# Altium PCB Slave.PcbDoc (part 4 of 11)
Units mm, origin at the board's own origin, x right, y up, seen from the top; angles counter-clockwise.
Board outline 380 x 63 mm, 4 copper layers (Top Copper, Signal Layer 1, Signal Layer 2, Bottom Copper), stack 1.586 mm thick; 256 components, 191 nets, 731 pads, 24161 vias.
Unrouted connection lines stored in the file: 14.
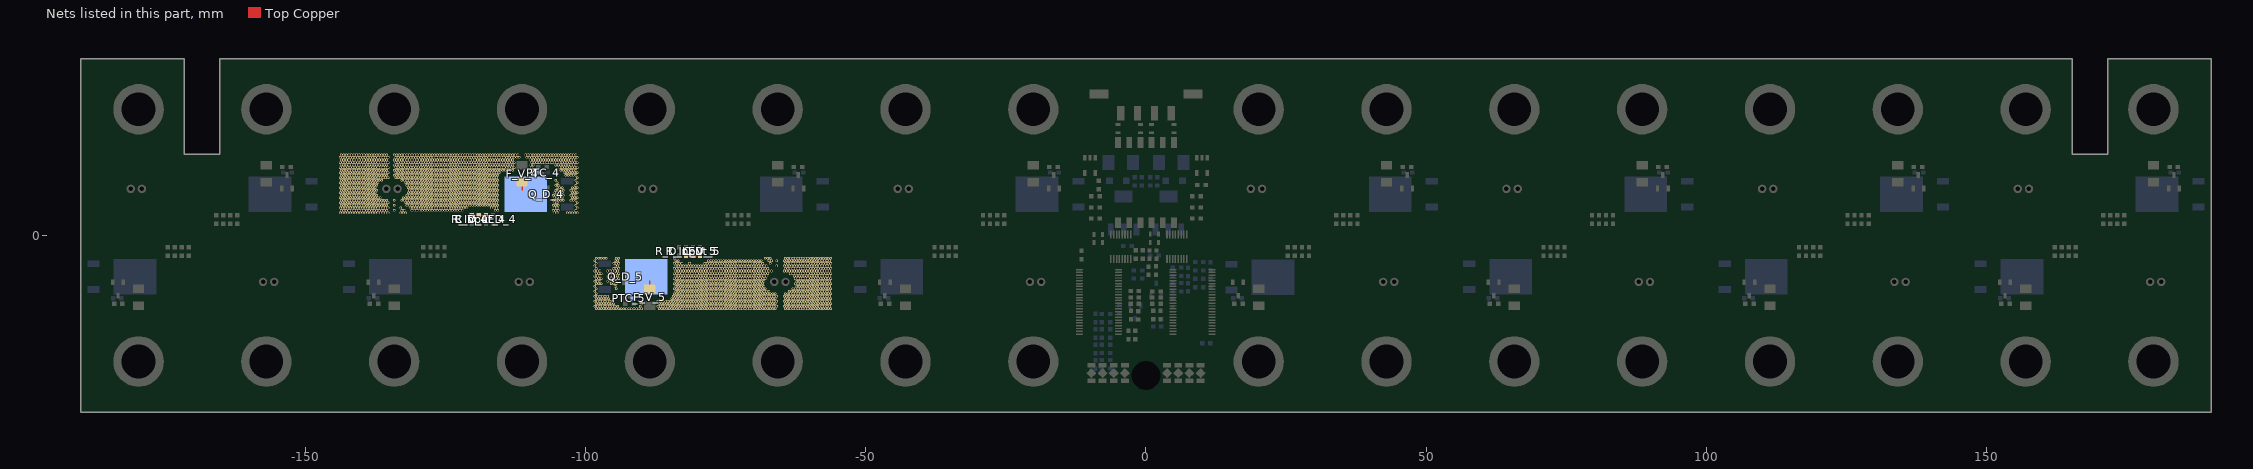
[diagram p6: the nets of this part, all layers, seen from the top]

## Via types
v1: diameter 0.45, hole 0.297, Top Copper to Bottom Copper, tented both sides, 23326 vias
v2: diameter 1, hole 0.7, Top Copper to Bottom Copper, 576 vias
v3: diameter 0.45, hole 0.2, Top Copper to Bottom Copper, 259 vias

## Nets (pads, with @x,y where several pads share a name; then routed paths per layer and width w, separated by ;. In a path a pad name is that pad's centre, name@x,y a point inside that pad or via, vN(x,y) a via of type N, cw(c..) or ccw(c..) an arc to the next point about the centre after c; other vN are vias at no path point) (continued)
F_4: C_V_4.2 F_V_4.2 PTC_4.2 Q_D_4.2 R_D_LED_4.2 R_Input_4.1 | length 3.9
  Top Copper w0.254: C_V_4.2@-120.25,3.6 R_Input_4.1@-119,3.6 R_D_LED_4.2@-117.75,3.6
  Top Copper w0.305: -111.275,8.1 F_V_4.2@-111.275,9.48
  other v1: -143.75,4 -143.3,4 -142.85,4 -142.4,4 -141.95,4 -141.5,4 -141.05,4 -140.6,4 -140.15,4 -139.7,4 -139.25,4 -138.8,4 -138.35,4 -137.9,4 -137.45,4 -137,4 -136.55,4 -136.1,4 -135.65,4 -135.2,4 -132.95,4 -132.5,4 -132.05,4 -105.5,4 -105.05,4 -103.25,4 -102.8,4 -102.35,4 -101.9,4 -101.45,4 -143.525,4.45 -143.075,4.45 -142.625,4.45 -142.175,4.45 -141.725,4.45 -141.275,4.45 -140.825,4.45 -140.375,4.45 -139.925,4.45 -139.475,4.45 -139.025,4.45 -138.575,4.45 -138.125,4.45 -137.675,4.45 -137.225,4.45 -136.775,4.45 -136.325,4.45 -135.875,4.45 -135.425,4.45 -134.075,4.45 -132.725,4.45 -132.275,4.45 -130.925,4.45 -130.475,4.45 -130.025,4.45 -129.575,4.45 -129.125,4.45 -128.675,4.45 -128.225,4.45 -127.775,4.45 -127.325,4.45 -126.875,4.45 -126.425,4.45 -125.975,4.45 -125.525,4.45 -125.075,4.45 -124.625,4.45 -124.175,4.45 -123.725,4.45 -123.275,4.45 -122.825,4.45 -122.375,4.45 -121.925,4.45 -116.075,4.45 -115.625,4.45 -105.725,4.45 -105.275,4.45 -104.825,4.45 -101.675,4.45 -143.75,4.9 -143.3,4.9 -142.85,4.9 -142.4,4.9 -141.95,4.9 -141.5,4.9 -141.05,4.9 -140.6,4.9 -140.15,4.9 -139.7,4.9 -139.25,4.9 -138.8,4.9 -138.35,4.9 -137.9,4.9 -137.45,4.9 -137,4.9 -136.55,4.9 -136.1,4.9 -135.65,4.9 -135.2,4.9 -132.95,4.9 -131.15,4.9 -130.7,4.9 -130.25,4.9 -129.8,4.9 -129.35,4.9 -128.9,4.9 -128.45,4.9 -128,4.9 -127.55,4.9 -127.1,4.9 -126.65,4.9 -126.2,4.9 -125.75,4.9 -125.3,4.9 -124.85,4.9 -124.4,4.9 -123.95,4.9 -123.5,4.9 -123.05,4.9 -122.6,4.9 -122.15,4.9 -121.7,4.9 -121.25,4.9 -116.75,4.9 -116.3,4.9 -115.85,4.9 -105.5,4.9 -105.05,4.9 -101.45,4.9 -143.525,5.35 -143.075,5.35 -142.625,5.35 -142.175,5.35 -141.725,5.35 -141.275,5.35 -140.825,5.35 -140.375,5.35 -139.925,5.35 -139.475,5.35 -139.025,5.35 -138.575,5.35 -138.125,5.35 -137.675,5.35 -137.225,5.35 -136.775,5.35 -136.325,5.35 -135.875,5.35 -135.425,5.35 -134.075,5.35 -131.825,5.35 -131.375,5.35 -130.925,5.35 -130.475,5.35 -130.025,5.35 -129.575,5.35 -129.125,5.35 -128.675,5.35 -128.225,5.35 -127.775,5.35 -127.325,5.35 -126.875,5.35 -126.425,5.35 -125.975,5.35 -125.525,5.35 -125.075,5.35 -124.625,5.35 -124.175,5.35 -123.725,5.35 -123.275,5.35 -122.825,5.35 -122.375,5.35 -121.925,5.35 -121.475,5.35 -121.025,5.35 -120.575,5.35 -120.125,5.35 -119.675,5.35 -119.225,5.35 -118.775,5.35 -118.325,5.35 -117.875,5.35 -117.425,5.35 -116.975,5.35 -116.525,5.35 -116.075,5.35 -115.625,5.35 -105.725,5.35 -105.275,5.35 -104.825,5.35 -101.675,5.35 -143.75,5.8 -143.3,5.8 -142.85,5.8 -142.4,5.8 -141.95,5.8 -141.5,5.8 -141.05,5.8 -140.6,5.8 -140.15,5.8 -139.7,5.8 -139.25,5.8 -138.8,5.8 -138.35,5.8 -137.9,5.8 -137.45,5.8 -137,5.8 -136.55,5.8 -136.1,5.8 -135.65,5.8 -135.2,5.8 -132.05,5.8 -131.6,5.8 -131.15,5.8 -130.7,5.8 -130.25,5.8 -129.8,5.8 -129.35,5.8 -128.9,5.8 -128.45,5.8 -128,5.8 -127.55,5.8 -127.1,5.8 -126.65,5.8 -126.2,5.8 -125.75,5.8 -125.3,5.8 -124.85,5.8 -124.4,5.8 -123.95,5.8 -123.5,5.8 -123.05,5.8 -122.6,5.8 -122.15,5.8 -121.7,5.8 -121.25,5.8 -120.8,5.8 -120.35,5.8 -119.9,5.8 -119.45,5.8 -119,5.8 -118.55,5.8 -118.1,5.8 -117.65,5.8 -117.2,5.8 -116.75,5.8 -116.3,5.8 -115.85,5.8 -105.5,5.8 -105.05,5.8 -101.45,5.8 -143.525,6.25 -143.075,6.25 -142.625,6.25 -142.175,6.25 -141.725,6.25 -141.275,6.25 -140.825,6.25 -140.375,6.25 -139.925,6.25 -139.475,6.25 -139.025,6.25 -138.575,6.25 -138.125,6.25 -137.675,6.25 -137.225,6.25 -136.775,6.25 -136.325,6.25 -135.875,6.25 -135.425,6.25 -134.075,6.25 -132.725,6.25 -132.275,6.25 -131.825,6.25 -131.375,6.25 -130.925,6.25 -130.475,6.25 -130.025,6.25 -129.575,6.25 -129.125,6.25 -128.675,6.25 -128.225,6.25 -127.775,6.25 -127.325,6.25 -126.875,6.25 -126.425,6.25 -125.975,6.25 -125.525,6.25 -125.075,6.25 -124.625,6.25 -124.175,6.25 -123.725,6.25 -123.275,6.25 -122.825,6.25 -122.375,6.25 -121.925,6.25 -121.475,6.25 -121.025,6.25 -120.575,6.25 -120.125,6.25 -119.675,6.25 -119.225,6.25 -118.775,6.25 -118.325,6.25 -117.875,6.25 -117.425,6.25 -116.975,6.25 -116.525,6.25 -116.075,6.25 -115.625,6.25 -105.725,6.25 -105.275,6.25 -104.825,6.25 -104.375,6.25 -103.925,6.25 -102.575,6.25 -102.125,6.25 -101.675,6.25 -143.75,6.7 -143.3,6.7 -142.85,6.7 -142.4,6.7 -141.95,6.7 -141.5,6.7 -141.05,6.7 -140.6,6.7 -140.15,6.7 -139.7,6.7 -139.25,6.7 -138.8,6.7 -138.35,6.7 -137.9,6.7 -137.45,6.7 -137,6.7 -136.55,6.7 -132.5,6.7 -132.05,6.7 -131.6,6.7 -131.15,6.7 -130.7,6.7 -130.25,6.7 -129.8,6.7 -129.35,6.7 -128.9,6.7 -128.45,6.7 -128,6.7 -127.55,6.7 -127.1,6.7 -126.65,6.7 -126.2,6.7 -125.75,6.7 -125.3,6.7 -124.85,6.7 -124.4,6.7 -123.95,6.7 -123.5,6.7 -123.05,6.7 -122.6,6.7 -122.15,6.7 -121.7,6.7 -121.25,6.7 -120.8,6.7 -120.35,6.7 -119.9,6.7 -119.45,6.7 -119,6.7 -118.55,6.7 -118.1,6.7 -117.65,6.7 -117.2,6.7 -116.75,6.7 -116.3,6.7 -115.85,6.7 -105.5,6.7 -105.05,6.7 -104.6,6.7 -104.15,6.7 -102.35,6.7 -101.9,6.7 -101.45,6.7 -143.525,7.15 -143.075,7.15 -142.625,7.15 -142.175,7.15 -141.725,7.15 -141.275,7.15 -140.825,7.15 -140.375,7.15 -139.925,7.15 -139.475,7.15 -139.025,7.15 -138.575,7.15 -138.125,7.15 -137.675,7.15 -137.225,7.15 -131.825,7.15 -131.375,7.15 -130.925,7.15 -130.475,7.15 -130.025,7.15 -129.575,7.15 -129.125,7.15 -128.675,7.15 -128.225,7.15 -127.775,7.15 -127.325,7.15 -126.875,7.15 -126.425,7.15 -125.975,7.15 -125.525,7.15 -125.075,7.15 -124.625,7.15 -124.175,7.15 -123.725,7.15 -123.275,7.15 -122.825,7.15 -122.375,7.15 -121.925,7.15 -121.475,7.15 -121.025,7.15 -120.575,7.15 -120.125,7.15 -119.675,7.15 -119.225,7.15 -118.775,7.15 -118.325,7.15 -117.875,7.15 -117.425,7.15 -116.975,7.15 -116.525,7.15 -116.075,7.15 -115.625,7.15 -105.725,7.15 -105.275,7.15 -104.825,7.15 -104.375,7.15 -103.925,7.15 -102.575,7.15 -102.125,7.15 -101.675,7.15 -143.75,7.6 -143.3,7.6 -142.85,7.6 -142.4,7.6 -141.95,7.6 -141.5,7.6 -141.05,7.6 -140.6,7.6 -140.15,7.6 -139.7,7.6 -139.25,7.6 -138.8,7.6 -138.35,7.6 -137.9,7.6 -137.45,7.6 -131.6,7.6 -131.15,7.6 -130.7,7.6 -130.25,7.6 -129.8,7.6 -129.35,7.6 -128.9,7.6 -128.45,7.6 -128,7.6 -127.55,7.6 -127.1,7.6 -126.65,7.6 -126.2,7.6 -125.75,7.6 -125.3,7.6 -124.85,7.6 -124.4,7.6 -123.95,7.6 -123.5,7.6 -123.05,7.6 -122.6,7.6 -122.15,7.6 -121.7,7.6 -121.25,7.6 -120.8,7.6 -120.35,7.6 -119.9,7.6 -119.45,7.6 -119,7.6 -118.55,7.6 -118.1,7.6 -117.65,7.6 -117.2,7.6 -116.75,7.6 -116.3,7.6 -115.85,7.6 -105.5,7.6 -105.05,7.6 -104.6,7.6 -104.15,7.6 -102.35,7.6 -101.9,7.6 -101.45,7.6 -143.525,8.05 -143.075,8.05 -142.625,8.05 -142.175,8.05 -141.725,8.05 -141.275,8.05 -140.825,8.05 -140.375,8.05 -139.925,8.05 -139.475,8.05 -139.025,8.05 -138.575,8.05 -138.125,8.05 -137.675,8.05 -137.225,8.05 -131.375,8.05 -130.925,8.05 -130.475,8.05 -130.025,8.05 -129.575,8.05 -129.125,8.05 -128.675,8.05 -128.225,8.05 -127.775,8.05 -127.325,8.05 -126.875,8.05 -126.425,8.05 -125.975,8.05 -125.525,8.05 -125.075,8.05 -124.625,8.05 -124.175,8.05 -123.725,8.05 -123.275,8.05 -122.825,8.05 -122.375,8.05 -121.925,8.05 -121.475,8.05 -121.025,8.05 -120.575,8.05 -120.125,8.05 -119.675,8.05 -119.225,8.05 -118.775,8.05 -118.325,8.05 -117.875,8.05 -117.425,8.05 -116.975,8.05 -116.525,8.05 -116.075,8.05 -115.625,8.05 -105.275,8.05 -104.825,8.05 -104.375,8.05 -103.925,8.05 -102.575,8.05 -102.125,8.05 -101.675,8.05 -143.75,8.5 -143.3,8.5 -142.85,8.5 -142.4,8.5 -141.95,8.5 -141.5,8.5 -141.05,8.5 -140.6,8.5 -140.15,8.5 -139.7,8.5 -139.25,8.5 -138.8,8.5 -138.35,8.5 -137.9,8.5 -137.45,8.5 -131.6,8.5 -131.15,8.5 -130.7,8.5 -130.25,8.5 -129.8,8.5 -129.35,8.5 -128.9,8.5 -128.45,8.5 -128,8.5 -127.55,8.5 -127.1,8.5 -126.65,8.5 -126.2,8.5 -125.75,8.5 -125.3,8.5 -124.85,8.5 -124.4,8.5 -123.95,8.5 -123.5,8.5 -123.05,8.5 -122.6,8.5 -122.15,8.5 -121.7,8.5 -121.25,8.5 -120.8,8.5 -120.35,8.5 -119.9,8.5 -119.45,8.5 -119,8.5 -118.55,8.5 -118.1,8.5 -117.65,8.5 -117.2,8.5 -116.75,8.5 -116.3,8.5 -115.85,8.5 -105.05,8.5 -104.6,8.5 -104.15,8.5 -102.35,8.5 -101.9,8.5 -101.45,8.5 -143.525,8.95 -143.075,8.95 -142.625,8.95 -142.175,8.95 -141.725,8.95 -141.275,8.95 -140.825,8.95 -140.375,8.95 -139.925,8.95 -139.475,8.95 -139.025,8.95 -138.575,8.95 -138.125,8.95 -137.675,8.95 -137.225,8.95 -131.825,8.95 -131.375,8.95 -130.925,8.95 -130.475,8.95 -130.025,8.95 -129.575,8.95 -129.125,8.95 -128.675,8.95 -128.225,8.95 -127.775,8.95 -127.325,8.95 -126.875,8.95 -126.425,8.95 -125.975,8.95 -125.525,8.95 -125.075,8.95 -124.625,8.95 -124.175,8.95 -123.725,8.95 -123.275,8.95 -122.825,8.95 -122.375,8.95 -121.925,8.95 -121.475,8.95 -121.025,8.95 -120.575,8.95 -120.125,8.95 -119.675,8.95 -119.225,8.95 -118.775,8.95 -118.325,8.95 -117.875,8.95 -117.425,8.95 -116.975,8.95 -116.525,8.95 -116.075,8.95 -115.625,8.95 -105.275,8.95 -104.825,8.95 -101.675,8.95 -143.75,9.4 -143.3,9.4 -142.85,9.4 -142.4,9.4 -141.95,9.4 -141.5,9.4 -141.05,9.4 -140.6,9.4 -140.15,9.4 -139.7,9.4 -139.25,9.4 -138.8,9.4 -138.35,9.4 -137.9,9.4 -137.45,9.4 -137,9.4 -132.05,9.4 -131.6,9.4 -131.15,9.4 -130.7,9.4 -130.25,9.4 -129.8,9.4 -129.35,9.4 -128.9,9.4 -128.45,9.4 -128,9.4 -127.55,9.4 -127.1,9.4 -126.65,9.4 -126.2,9.4 -125.75,9.4 -125.3,9.4 -124.85,9.4 -124.4,9.4 -123.95,9.4 -123.5,9.4 -123.05,9.4 -122.6,9.4 -122.15,9.4 -121.7,9.4 -121.25,9.4 -120.8,9.4 -120.35,9.4 -119.9,9.4 -119.45,9.4 -119,9.4 -118.55,9.4 -118.1,9.4 -117.65,9.4 -117.2,9.4 -116.75,9.4 -116.3,9.4 -115.85,9.4 -105.05,9.4 -101.45,9.4 -143.525,9.85 -143.075,9.85 -142.625,9.85 -142.175,9.85 -141.725,9.85 -141.275,9.85 -140.825,9.85 -140.375,9.85 -139.925,9.85 -139.475,9.85 -139.025,9.85 -138.575,9.85 -138.125,9.85 -137.675,9.85 -137.225,9.85 -136.775,9.85 -136.325,9.85 -132.725,9.85 -132.275,9.85 -131.825,9.85 -131.375,9.85 -130.925,9.85 -130.475,9.85 -130.025,9.85 -129.575,9.85 -129.125,9.85 -128.675,9.85 -128.225,9.85 -127.775,9.85 -127.325,9.85 -126.875,9.85 -126.425,9.85 -125.975,9.85 -125.525,9.85 -125.075,9.85 -124.625,9.85 -124.175,9.85 -123.725,9.85 -123.275,9.85 -122.825,9.85 -122.375,9.85 -121.925,9.85 -121.475,9.85 -121.025,9.85 -120.575,9.85 -120.125,9.85 -119.675,9.85 -119.225,9.85 -118.775,9.85 -118.325,9.85 -117.875,9.85 -117.425,9.85 -116.975,9.85 -116.525,9.85 -116.075,9.85 -115.625,9.85 -105.275,9.85 -101.675,9.85 -143.75,10.3 -143.3,10.3 -142.85,10.3 -142.4,10.3 -141.95,10.3 -141.5,10.3 -141.05,10.3 -140.6,10.3 -140.15,10.3 -139.7,10.3 -139.25,10.3 -138.8,10.3 -138.35,10.3 -137.9,10.3 -137.45,10.3 -137,10.3 -136.55,10.3 -136.1,10.3 -135.65,10.3 -135.2,10.3 -133.85,10.3 -133.4,10.3 -132.95,10.3 -132.5,10.3 -132.05,10.3 -131.6,10.3 -131.15,10.3 -130.7,10.3 -130.25,10.3 -129.8,10.3 -129.35,10.3 -128.9,10.3 -128.45,10.3 -128,10.3 -127.55,10.3 -127.1,10.3 -126.65,10.3 -126.2,10.3 -125.75,10.3 -125.3,10.3 -124.85,10.3 -124.4,10.3 -123.95,10.3 -123.5,10.3 -123.05,10.3 -122.6,10.3 -122.15,10.3 -121.7,10.3 -121.25,10.3 -120.8,10.3 -120.35,10.3 -119.9,10.3 -119.45,10.3 -119,10.3 -118.55,10.3 -118.1,10.3 -117.65,10.3 -117.2,10.3 -116.75,10.3 -116.3,10.3 -115.85,10.3 -101.45,10.3 -143.525,10.75 -143.075,10.75 -142.625,10.75 -142.175,10.75 -141.725,10.75 -141.275,10.75 -140.825,10.75 -140.375,10.75 -139.925,10.75 -139.475,10.75 -139.025,10.75 -138.575,10.75 -138.125,10.75 -137.675,10.75 -137.225,10.75 -136.775,10.75 -136.325,10.75 -135.875,10.75 -135.425,10.75 -134.075,10.75 -133.625,10.75 -133.175,10.75 -132.725,10.75 -132.275,10.75 -131.825,10.75 -131.375,10.75 -130.925,10.75 -130.475,10.75 -130.025,10.75 -129.575,10.75 -129.125,10.75 -128.675,10.75 -128.225,10.75 -127.775,10.75 -127.325,10.75 -126.875,10.75 -126.425,10.75 -125.975,10.75 -125.525,10.75 -125.075,10.75 -124.625,10.75 -124.175,10.75 -123.725,10.75 -123.275,10.75 -122.825,10.75 -122.375,10.75 -121.925,10.75 -121.475,10.75 -121.025,10.75 -120.575,10.75 -120.125,10.75 -119.675,10.75 -119.225,10.75 -118.775,10.75 -118.325,10.75 -117.875,10.75 -117.425,10.75 -116.975,10.75 -116.525,10.75 -116.075,10.75 -115.625,10.75 -103.475,10.75 -103.025,10.75 -102.575,10.75 -102.125,10.75 -101.675,10.75 -143.75,11.2 -143.3,11.2 -142.85,11.2 -142.4,11.2 -141.95,11.2 -141.5,11.2 -141.05,11.2 -140.6,11.2 -140.15,11.2 -139.7,11.2 -139.25,11.2 -138.8,11.2 -138.35,11.2 -137.9,11.2 -137.45,11.2 -137,11.2 -136.55,11.2 -136.1,11.2 -135.65,11.2 -135.2,11.2 -133.85,11.2 -133.4,11.2 -132.95,11.2 -132.5,11.2 -132.05,11.2 -131.6,11.2 -131.15,11.2 -130.7,11.2 -130.25,11.2 -129.8,11.2 -129.35,11.2 -128.9,11.2 -128.45,11.2 -128,11.2 -127.55,11.2 -127.1,11.2 -126.65,11.2 -126.2,11.2 -125.75,11.2 -125.3,11.2 -124.85,11.2 -124.4,11.2 -123.95,11.2 -123.5,11.2 -123.05,11.2 -122.6,11.2 -122.15,11.2 -121.7,11.2 -121.25,11.2 -120.8,11.2 -120.35,11.2 -119.9,11.2 -119.45,11.2 -119,11.2 -118.55,11.2 -118.1,11.2 -117.65,11.2 -117.2,11.2 -116.75,11.2 -116.3,11.2 -115.85,11.2 -115.4,11.2 -103.7,11.2 -103.25,11.2 -102.8,11.2 -102.35,11.2 -101.9,11.2 -101.45,11.2 -143.525,11.65 -143.075,11.65 -142.625,11.65 -142.175,11.65 -141.725,11.65 -141.275,11.65 -140.825,11.65 -140.375,11.65 -139.925,11.65 -139.475,11.65 -139.025,11.65 -138.575,11.65 -138.125,11.65 -137.675,11.65 -137.225,11.65 -136.775,11.65 -136.325,11.65 -135.875,11.65 -135.425,11.65 -134.075,11.65 -133.625,11.65 -133.175,11.65 -132.725,11.65 -132.275,11.65 -131.825,11.65 -131.375,11.65 -130.925,11.65 -130.475,11.65 -130.025,11.65 -129.575,11.65 -129.125,11.65 -128.675,11.65 -128.225,11.65 -127.775,11.65 -127.325,11.65 -126.875,11.65 -126.425,11.65 -125.975,11.65 -125.525,11.65 -125.075,11.65 -124.625,11.65 -124.175,11.65 -123.725,11.65 -123.275,11.65 -122.825,11.65 -122.375,11.65 -121.925,11.65 -121.475,11.65 -121.025,11.65 -120.575,11.65 -120.125,11.65 -119.675,11.65 -119.225,11.65 -118.775,11.65 -118.325,11.65 -117.875,11.65 -117.425,11.65 -116.975,11.65 -116.525,11.65 -116.075,11.65 -115.625,11.65 -115.175,11.65 -114.725,11.65 -114.275,11.65 -113.825,11.65 -113.375,11.65 -112.925,11.65 -109.775,11.65 -104.375,11.65 -103.925,11.65 -103.475,11.65 -103.025,11.65 -102.575,11.65 -102.125,11.65 -101.675,11.65 -143.75,12.1 -143.3,12.1 -142.85,12.1 -142.4,12.1 -141.95,12.1 -141.5,12.1 -141.05,12.1 -140.6,12.1 -140.15,12.1 -139.7,12.1 -139.25,12.1 -138.8,12.1 -138.35,12.1 -137.9,12.1 -137.45,12.1 -137,12.1 -136.55,12.1 -136.1,12.1 -135.65,12.1 -135.2,12.1 -133.85,12.1 -133.4,12.1 -132.95,12.1 -132.5,12.1 -132.05,12.1 -131.6,12.1 -131.15,12.1 -130.7,12.1 -130.25,12.1 -129.8,12.1 -129.35,12.1 -128.9,12.1 -128.45,12.1 -128,12.1 -127.55,12.1 -127.1,12.1 -126.65,12.1 -126.2,12.1 -125.75,12.1 -125.3,12.1 -124.85,12.1 -124.4,12.1 -123.95,12.1 -123.5,12.1 -123.05,12.1 -122.6,12.1 -122.15,12.1 -121.7,12.1 -121.25,12.1 -120.8,12.1 -120.35,12.1 -119.9,12.1 -119.45,12.1 -119,12.1 -118.55,12.1 -118.1,12.1 -117.65,12.1 -117.2,12.1 -116.75,12.1 -116.3,12.1 -115.85,12.1 -115.4,12.1 -114.95,12.1 -114.5,12.1 -114.05,12.1 -113.6,12.1 -113.15,12.1 -112.7,12.1 -109.55,12.1 -104.6,12.1 -104.15,12.1 -103.7,12.1 -103.25,12.1 -102.8,12.1 -102.35,12.1 -101.9,12.1 -101.45,12.1 -143.525,12.55 -143.075,12.55 -142.625,12.55 -142.175,12.55 -141.725,12.55 -141.275,12.55 -140.825,12.55 -140.375,12.55 -139.925,12.55 -139.475,12.55 -139.025,12.55 -138.575,12.55 -138.125,12.55 -137.675,12.55 -137.225,12.55 -136.775,12.55 -136.325,12.55 -135.875,12.55 -135.425,12.55 -134.075,12.55 -133.625,12.55 -133.175,12.55 -132.725,12.55 -132.275,12.55 -131.825,12.55 -131.375,12.55 -130.925,12.55 -130.475,12.55 -130.025,12.55 -129.575,12.55 -129.125,12.55 -128.675,12.55 -128.225,12.55 -127.775,12.55 -127.325,12.55 -126.875,12.55 -126.425,12.55 -125.975,12.55 -125.525,12.55 -125.075,12.55 -124.625,12.55 -124.175,12.55 -123.725,12.55 -123.275,12.55 -122.825,12.55 -122.375,12.55 -121.925,12.55 -121.475,12.55 -121.025,12.55 -120.575,12.55 -120.125,12.55 -119.675,12.55 -119.225,12.55 -118.775,12.55 -118.325,12.55 -117.875,12.55 -117.425,12.55 -116.975,12.55 -116.525,12.55 -116.075,12.55 -115.625,12.55 -115.175,12.55 -114.725,12.55 -114.275,12.55 -113.825,12.55 -113.375,12.55 -112.925,12.55 -109.775,12.55 -109.325,12.55 -105.275,12.55 -104.825,12.55 -104.375,12.55 -103.925,12.55 -103.475,12.55 -103.025,12.55 -102.575,12.55 -102.125,12.55 -101.675,12.55 -143.75,13 -143.3,13 -142.85,13 -142.4,13 -141.95,13 -141.5,13 -141.05,13 -140.6,13 -140.15,13 -139.7,13 -139.25,13 -138.8,13 -138.35,13 -137.9,13 -137.45,13 -137,13 -136.55,13 -136.1,13 -135.65,13 -135.2,13 -133.85,13 -133.4,13 -132.95,13 -132.5,13 -132.05,13 -131.6,13 -131.15,13 -130.7,13 -130.25,13 -129.8,13 -129.35,13 -128.9,13 -128.45,13 -128,13 -127.55,13 -127.1,13 -126.65,13 -126.2,13 -125.75,13 -125.3,13 -124.85,13 -124.4,13 -123.95,13 -123.5,13 -123.05,13 -122.6,13 -122.15,13 -121.7,13 -121.25,13 -120.8,13 -120.35,13 -119.9,13 -119.45,13 -119,13 -118.55,13 -118.1,13 -117.65,13 -117.2,13 -116.75,13 -116.3,13 -115.85,13 -115.4,13 -114.95,13 -114.5,13 -114.05,13 -113.6,13 -113.15,13 -112.7,13 -109.55,13 -109.1,13 -108.65,13 -108.2,13 -107.75,13 -107.3,13 -106.85,13 -106.4,13 -105.95,13 -105.5,13 -105.05,13 -104.6,13 -104.15,13 -103.7,13 -103.25,13 -102.8,13 -102.35,13 -101.9,13 -101.45,13 -143.525,13.45 -143.075,13.45 -142.625,13.45 -142.175,13.45 -141.725,13.45 -141.275,13.45 -140.825,13.45 -140.375,13.45 -139.925,13.45 -139.475,13.45 -139.025,13.45 -138.575,13.45 -138.125,13.45 -137.675,13.45 -137.225,13.45 -136.775,13.45 -136.325,13.45 -135.875,13.45 -135.425,13.45 -134.075,13.45 -133.625,13.45 -133.175,13.45 -132.725,13.45 -132.275,13.45 -131.825,13.45 -131.375,13.45 -130.925,13.45 -130.475,13.45 -130.025,13.45 -129.575,13.45 -129.125,13.45 -128.675,13.45 -128.225,13.45 -127.775,13.45 -127.325,13.45 -126.875,13.45 -126.425,13.45 -125.975,13.45 -125.525,13.45 -125.075,13.45 -124.625,13.45 -124.175,13.45 -123.725,13.45 -123.275,13.45 -122.825,13.45 -122.375,13.45 -121.925,13.45 -121.475,13.45 -121.025,13.45 -120.575,13.45 -120.125,13.45 -119.675,13.45 -119.225,13.45 -118.775,13.45 -118.325,13.45 -117.875,13.45 -117.425,13.45 -116.975,13.45 -116.525,13.45 -116.075,13.45 -115.625,13.45 -115.175,13.45 -114.725,13.45 -114.275,13.45 -113.825,13.45 -113.375,13.45 -112.925,13.45 -109.775,13.45 -109.325,13.45 -108.875,13.45 -108.425,13.45 -107.975,13.45 -107.525,13.45 -107.075,13.45 -106.625,13.45 -106.175,13.45 -105.725,13.45 -105.275,13.45 -104.825,13.45 -104.375,13.45 -103.925,13.45 -103.475,13.45 -103.025,13.45 -102.575,13.45 -102.125,13.45 -101.675,13.45 -143.75,13.9 -143.3,13.9 -142.85,13.9 -142.4,13.9 -141.95,13.9 -141.5,13.9 -141.05,13.9 -140.6,13.9 -140.15,13.9 -139.7,13.9 -139.25,13.9 -138.8,13.9 -138.35,13.9 -137.9,13.9 -137.45,13.9 -137,13.9 -136.55,13.9 -136.1,13.9 -135.65,13.9 -135.2,13.9 -133.85,13.9 -133.4,13.9 -132.95,13.9 -132.5,13.9 -132.05,13.9 -131.6,13.9 -131.15,13.9 -130.7,13.9 -130.25,13.9 -129.8,13.9 -129.35,13.9 -128.9,13.9 -128.45,13.9 -128,13.9 -127.55,13.9 -127.1,13.9 -126.65,13.9 -126.2,13.9 -125.75,13.9 -125.3,13.9 -124.85,13.9 -124.4,13.9 -123.95,13.9 -123.5,13.9 -123.05,13.9 -122.6,13.9 -122.15,13.9 -121.7,13.9 -121.25,13.9 -120.8,13.9 -120.35,13.9 -119.9,13.9 -119.45,13.9 -119,13.9 -118.55,13.9 -118.1,13.9 -117.65,13.9 -117.2,13.9 -116.75,13.9 -116.3,13.9 -115.85,13.9 -115.4,13.9 -114.95,13.9 -114.5,13.9 -114.05,13.9 -113.6,13.9 -113.15,13.9 -112.7,13.9 -112.25,13.9 -111.8,13.9 -110.45,13.9 -110,13.9 -109.55,13.9 -109.1,13.9 -108.65,13.9 -108.2,13.9 -107.75,13.9 -107.3,13.9 -106.85,13.9 -106.4,13.9 -105.95,13.9 -105.5,13.9 -105.05,13.9 -104.6,13.9 -104.15,13.9 -103.7,13.9 -103.25,13.9 -102.8,13.9 -102.35,13.9 -101.9,13.9 -101.45,13.9 -143.525,14.35 -143.075,14.35 -142.625,14.35 -142.175,14.35 -141.725,14.35 -141.275,14.35 -140.825,14.35 -140.375,14.35 -139.925,14.35 -139.475,14.35 -139.025,14.35 -138.575,14.35 -138.125,14.35 -137.675,14.35 -137.225,14.35 -136.775,14.35 -136.325,14.35 -135.875,14.35 -135.425,14.35 -134.075,14.35 -133.625,14.35 -133.175,14.35 -132.725,14.35 -132.275,14.35 -131.825,14.35 -131.375,14.35 -130.925,14.35 -130.475,14.35 -130.025,14.35 -129.575,14.35 -129.125,14.35 -128.675,14.35 -128.225,14.35 -127.775,14.35 -127.325,14.35 -126.875,14.35 -126.425,14.35 -125.975,14.35 -125.525,14.35 -125.075,14.35 -124.625,14.35 -124.175,14.35 -123.725,14.35 -123.275,14.35 -122.825,14.35 -122.375,14.35 -121.925,14.35 -121.475,14.35 -121.025,14.35 -120.575,14.35 -120.125,14.35 -119.675,14.35 -119.225,14.35 -118.775,14.35 -118.325,14.35 -117.875,14.35 -117.425,14.35 -116.975,14.35 -116.525,14.35 -116.075,14.35 -115.625,14.35 -115.175,14.35 -114.725,14.35 -114.275,14.35 -113.825,14.35 -113.375,14.35 -112.925,14.35 -112.475,14.35 -112.025,14.35 -110.675,14.35 -110.225,14.35 -109.775,14.35 -109.325,14.35 -108.875,14.35 -108.425,14.35 -107.975,14.35 -107.525,14.35 -107.075,14.35 -106.625,14.35 -106.175,14.35 -105.725,14.35 -105.275,14.35 -104.825,14.35 -104.375,14.35 -103.925,14.35 -103.475,14.35 -103.025,14.35 -102.575,14.35 -102.125,14.35 -101.675,14.35
F_5: C_V_5.2 F_V_5.2 PTC_5.2 Q_D_5.2 R_D_LED_5.2 R_Input_5.1 | length 3.9
  Top Copper w0.254: R_D_LED_5.2@-82.05,-3.6 R_Input_5.1@-80.8,-3.6 C_V_5.2@-79.55,-3.6
  Top Copper w0.305: F_V_5.2@-88.525,-9.48 -88.525,-8.1
  other v1: -98.075,-13.1 -97.625,-13.1 -97.175,-13.1 -96.725,-13.1 -96.275,-13.1 -95.825,-13.1 -95.375,-13.1 -94.925,-13.1 -94.475,-13.1 -94.025,-13.1 -93.575,-13.1 -93.125,-13.1 -92.675,-13.1 -92.225,-13.1 -91.775,-13.1 -91.325,-13.1 -90.875,-13.1 -90.425,-13.1 -89.975,-13.1 -86.825,-13.1 -86.375,-13.1 -85.925,-13.1 -85.475,-13.1 -85.025,-13.1 -84.575,-13.1 -84.125,-13.1 -83.675,-13.1 -83.225,-13.1 -82.775,-13.1 -82.325,-13.1 -81.875,-13.1 -81.425,-13.1 -80.975,-13.1 -80.525,-13.1 -80.075,-13.1 -79.625,-13.1 -79.175,-13.1 -78.725,-13.1 -78.275,-13.1 -77.825,-13.1 -77.375,-13.1 -76.925,-13.1 -76.475,-13.1 -76.025,-13.1 -75.575,-13.1 -75.125,-13.1 -74.675,-13.1 -74.225,-13.1 -73.775,-13.1 -73.325,-13.1 -72.875,-13.1 -72.425,-13.1 -71.975,-13.1 -71.525,-13.1 -71.075,-13.1 -70.625,-13.1 -70.175,-13.1 -69.725,-13.1 -69.275,-13.1 -68.825,-13.1 -68.375,-13.1 -67.925,-13.1 -67.475,-13.1 -67.025,-13.1 -66.575,-13.1 -66.125,-13.1 -64.325,-13.1 -63.875,-13.1 -63.425,-13.1 -62.975,-13.1 -62.525,-13.1 -62.075,-13.1 -61.625,-13.1 -61.175,-13.1 -60.725,-13.1 -60.275,-13.1 -59.825,-13.1 -59.375,-13.1 -58.925,-13.1 -58.475,-13.1 -58.025,-13.1 -57.575,-13.1 -57.125,-13.1 -56.675,-13.1 -56.225,-13.1 -98.3,-12.65 -97.85,-12.65 -97.4,-12.65 -96.95,-12.65 -96.5,-12.65 -96.05,-12.65 -95.6,-12.65 -95.15,-12.65 -94.7,-12.65 -94.25,-12.65 -90.2,-12.65 -87.05,-12.65 -86.6,-12.65 -86.15,-12.65 -85.7,-12.65 -85.25,-12.65 -84.8,-12.65 -84.35,-12.65 -83.9,-12.65 -83.45,-12.65 -83,-12.65 -82.55,-12.65 -82.1,-12.65 -81.65,-12.65 -81.2,-12.65 -80.75,-12.65 -80.3,-12.65 -79.85,-12.65 -79.4,-12.65 -78.95,-12.65 -78.5,-12.65 -78.05,-12.65 -77.6,-12.65 -77.15,-12.65 -76.7,-12.65 -76.25,-12.65 -75.8,-12.65 -75.35,-12.65 -74.9,-12.65 -74.45,-12.65 -74,-12.65 -73.55,-12.65 -73.1,-12.65 -72.65,-12.65 -72.2,-12.65 -71.75,-12.65 -71.3,-12.65 -70.85,-12.65 -70.4,-12.65 -69.95,-12.65 -69.5,-12.65 -69.05,-12.65 -68.6,-12.65 -68.15,-12.65 -67.7,-12.65 -67.25,-12.65 -66.8,-12.65 -66.35,-12.65 -65.9,-12.65 -64.55,-12.65 -64.1,-12.65 -63.65,-12.65 -63.2,-12.65 -62.75,-12.65 -62.3,-12.65 -61.85,-12.65 -61.4,-12.65 -60.95,-12.65 -60.5,-12.65 -60.05,-12.65 -59.6,-12.65 -59.15,-12.65 -58.7,-12.65 -58.25,-12.65 -57.8,-12.65 -57.35,-12.65 -56.9,-12.65 -56.45,-12.65 -98.075,-12.2 -97.625,-12.2 -97.175,-12.2 -96.725,-12.2 -96.275,-12.2 -95.825,-12.2 -95.375,-12.2 -94.925,-12.2 -89.975,-12.2 -86.825,-12.2 -86.375,-12.2 -85.925,-12.2 -85.475,-12.2 -85.025,-12.2 -84.575,-12.2 -84.125,-12.2 -83.675,-12.2 -83.225,-12.2 -82.775,-12.2 -82.325,-12.2 -81.875,-12.2 -81.425,-12.2 -80.975,-12.2 -80.525,-12.2 -80.075,-12.2 -79.625,-12.2 -79.175,-12.2 -78.725,-12.2 -78.275,-12.2 -77.825,-12.2 -77.375,-12.2 -76.925,-12.2 -76.475,-12.2 -76.025,-12.2 -75.575,-12.2 -75.125,-12.2 -74.675,-12.2 -74.225,-12.2 -73.775,-12.2 -73.325,-12.2 -72.875,-12.2 -72.425,-12.2 -71.975,-12.2 -71.525,-12.2 -71.075,-12.2 -70.625,-12.2 -70.175,-12.2 -69.725,-12.2 -69.275,-12.2 -68.825,-12.2 -68.375,-12.2 -67.925,-12.2 -67.475,-12.2 -67.025,-12.2 -66.575,-12.2 -66.125,-12.2 -64.325,-12.2 -63.875,-12.2 -63.425,-12.2 -62.975,-12.2 -62.525,-12.2 -62.075,-12.2 -61.625,-12.2 -61.175,-12.2 -60.725,-12.2 -60.275,-12.2 -59.825,-12.2 -59.375,-12.2 -58.925,-12.2 -58.475,-12.2 -58.025,-12.2 -57.575,-12.2 -57.125,-12.2 -56.675,-12.2 -56.225,-12.2 -98.3,-11.75 -97.85,-11.75 -97.4,-11.75 -96.95,-11.75 -96.5,-11.75 -96.05,-11.75 -95.6,-11.75 -95.15,-11.75 -87.05,-11.75 -86.6,-11.75 -86.15,-11.75 -85.7,-11.75 -85.25,-11.75 -84.8,-11.75 -84.35,-11.75 -83.9,-11.75 -83.45,-11.75 -83,-11.75 -82.55,-11.75 -82.1,-11.75 -81.65,-11.75 -81.2,-11.75 -80.75,-11.75 -80.3,-11.75 -79.85,-11.75 -79.4,-11.75 -78.95,-11.75 -78.5,-11.75 -78.05,-11.75 -77.6,-11.75 -77.15,-11.75 -76.7,-11.75 -76.25,-11.75 -75.8,-11.75 -75.35,-11.75 -74.9,-11.75 -74.45,-11.75 -74,-11.75 -73.55,-11.75 -73.1,-11.75 -72.65,-11.75 -72.2,-11.75 -71.75,-11.75 -71.3,-11.75 -70.85,-11.75 -70.4,-11.75 -69.95,-11.75 -69.5,-11.75 -69.05,-11.75 -68.6,-11.75 -68.15,-11.75 -67.7,-11.75 -67.25,-11.75 -66.8,-11.75 -66.35,-11.75 -65.9,-11.75 -64.55,-11.75 -64.1,-11.75 -63.65,-11.75 -63.2,-11.75 -62.75,-11.75 -62.3,-11.75 -61.85,-11.75 -61.4,-11.75 -60.95,-11.75 -60.5,-11.75 -60.05,-11.75 -59.6,-11.75 -59.15,-11.75 -58.7,-11.75 -58.25,-11.75 -57.8,-11.75 -57.35,-11.75 -56.9,-11.75 -56.45,-11.75 -98.075,-11.3 -97.625,-11.3 -97.175,-11.3 -96.725,-11.3 -96.275,-11.3 -95.825,-11.3 -84.575,-11.3 -84.125,-11.3 -83.675,-11.3 -83.225,-11.3 -82.775,-11.3 -82.325,-11.3 -81.875,-11.3 -81.425,-11.3 -80.975,-11.3 -80.525,-11.3 -80.075,-11.3 -79.625,-11.3 -79.175,-11.3 -78.725,-11.3 -78.275,-11.3 -77.825,-11.3 -77.375,-11.3 -76.925,-11.3 -76.475,-11.3 -76.025,-11.3 -75.575,-11.3 -75.125,-11.3 -74.675,-11.3 -74.225,-11.3 -73.775,-11.3 -73.325,-11.3 -72.875,-11.3 -72.425,-11.3 -71.975,-11.3 -71.525,-11.3 -71.075,-11.3 -70.625,-11.3 -70.175,-11.3 -69.725,-11.3 -69.275,-11.3 -68.825,-11.3 -68.375,-11.3 -67.925,-11.3 -67.475,-11.3 -67.025,-11.3 -66.575,-11.3 -66.125,-11.3 -64.325,-11.3 -63.875,-11.3 -63.425,-11.3 -62.975,-11.3 -62.525,-11.3 -62.075,-11.3 -61.625,-11.3 -61.175,-11.3 -60.725,-11.3 -60.275,-11.3 -59.825,-11.3 -59.375,-11.3 -58.925,-11.3 -58.475,-11.3 -58.025,-11.3 -57.575,-11.3 -57.125,-11.3 -56.675,-11.3 -56.225,-11.3 -98.3,-10.85 -97.85,-10.85 -97.4,-10.85 -96.95,-10.85 -96.5,-10.85 -96.05,-10.85 -84.35,-10.85 -83.9,-10.85 -83.45,-10.85 -83,-10.85 -82.55,-10.85 -82.1,-10.85 -81.65,-10.85 -81.2,-10.85 -80.75,-10.85 -80.3,-10.85 -79.85,-10.85 -79.4,-10.85 -78.95,-10.85 -78.5,-10.85 -78.05,-10.85 -77.6,-10.85 -77.15,-10.85 -76.7,-10.85 -76.25,-10.85 -75.8,-10.85 -75.35,-10.85 -74.9,-10.85 -74.45,-10.85 -74,-10.85 -73.55,-10.85 -73.1,-10.85 -72.65,-10.85 -72.2,-10.85 -71.75,-10.85 -71.3,-10.85 -70.85,-10.85 -70.4,-10.85 -69.95,-10.85 -69.5,-10.85 -69.05,-10.85 -68.6,-10.85 -68.15,-10.85 -67.7,-10.85 -67.25,-10.85 -66.8,-10.85 -66.35,-10.85 -65.9,-10.85 -64.55,-10.85 -64.1,-10.85 -63.65,-10.85 -63.2,-10.85 -62.75,-10.85 -62.3,-10.85 -61.85,-10.85 -61.4,-10.85 -60.95,-10.85 -60.5,-10.85 -60.05,-10.85 -59.6,-10.85 -59.15,-10.85 -58.7,-10.85 -58.25,-10.85 -57.8,-10.85 -57.35,-10.85 -56.9,-10.85 -56.45,-10.85 -98.075,-10.4 -84.125,-10.4 -83.675,-10.4 -83.225,-10.4 -82.775,-10.4 -82.325,-10.4 -81.875,-10.4 -81.425,-10.4 -80.975,-10.4 -80.525,-10.4 -80.075,-10.4 -79.625,-10.4 -79.175,-10.4 -78.725,-10.4 -78.275,-10.4 -77.825,-10.4 -77.375,-10.4 -76.925,-10.4 -76.475,-10.4 -76.025,-10.4 -75.575,-10.4 -75.125,-10.4 -74.675,-10.4 -74.225,-10.4 -73.775,-10.4 -73.325,-10.4 -72.875,-10.4 -72.425,-10.4 -71.975,-10.4 -71.525,-10.4 -71.075,-10.4 -70.625,-10.4 -70.175,-10.4 -69.725,-10.4 -69.275,-10.4 -68.825,-10.4 -68.375,-10.4 -67.925,-10.4 -67.475,-10.4 -67.025,-10.4 -66.575,-10.4 -66.125,-10.4 -64.325,-10.4 -63.875,-10.4 -63.425,-10.4 -62.975,-10.4 -62.525,-10.4 -62.075,-10.4 -61.625,-10.4 -61.175,-10.4 -60.725,-10.4 -60.275,-10.4 -59.825,-10.4 -59.375,-10.4 -58.925,-10.4 -58.475,-10.4 -58.025,-10.4 -57.575,-10.4 -57.125,-10.4 -56.675,-10.4 -56.225,-10.4 -98.3,-9.95 -83.9,-9.95 -83.45,-9.95 -83,-9.95 -82.55,-9.95 -82.1,-9.95 -81.65,-9.95 -81.2,-9.95 -80.75,-9.95 -80.3,-9.95 -79.85,-9.95 -79.4,-9.95 -78.95,-9.95 -78.5,-9.95 -78.05,-9.95 -77.6,-9.95 -77.15,-9.95 -76.7,-9.95 -76.25,-9.95 -75.8,-9.95 -75.35,-9.95 -74.9,-9.95 -74.45,-9.95 -74,-9.95 -73.55,-9.95 -73.1,-9.95 -72.65,-9.95 -72.2,-9.95 -71.75,-9.95 -71.3,-9.95 -70.85,-9.95 -70.4,-9.95 -69.95,-9.95 -69.5,-9.95 -69.05,-9.95 -68.6,-9.95 -68.15,-9.95 -67.7,-9.95 -67.25,-9.95 -63.65,-9.95 -63.2,-9.95 -62.75,-9.95 -62.3,-9.95 -61.85,-9.95 -61.4,-9.95 -60.95,-9.95 -60.5,-9.95 -60.05,-9.95 -59.6,-9.95 -59.15,-9.95 -58.7,-9.95 -58.25,-9.95 -57.8,-9.95 -57.35,-9.95 -56.9,-9.95 -56.45,-9.95 -98.075,-9.5 -94.475,-9.5 -84.125,-9.5 -83.675,-9.5 -83.225,-9.5 -82.775,-9.5 -82.325,-9.5 -81.875,-9.5 -81.425,-9.5 -80.975,-9.5 -80.525,-9.5 -80.075,-9.5 -79.625,-9.5 -79.175,-9.5 -78.725,-9.5 -78.275,-9.5 -77.825,-9.5 -77.375,-9.5 -76.925,-9.5 -76.475,-9.5 -76.025,-9.5 -75.575,-9.5 -75.125,-9.5 -74.675,-9.5 -74.225,-9.5 -73.775,-9.5 -73.325,-9.5 -72.875,-9.5 -72.425,-9.5 -71.975,-9.5 -71.525,-9.5 -71.075,-9.5 -70.625,-9.5 -70.175,-9.5 -69.725,-9.5 -69.275,-9.5 -68.825,-9.5 -68.375,-9.5 -67.925,-9.5 -62.975,-9.5 -62.525,-9.5 -62.075,-9.5 -61.625,-9.5 -61.175,-9.5 -60.725,-9.5 -60.275,-9.5 -59.825,-9.5 -59.375,-9.5 -58.925,-9.5 -58.475,-9.5 -58.025,-9.5 -57.575,-9.5 -57.125,-9.5 -56.675,-9.5 -56.225,-9.5 -98.3,-9.05 -94.7,-9.05 -83.9,-9.05 -83.45,-9.05 -83,-9.05 -82.55,-9.05 -82.1,-9.05 -81.65,-9.05 -81.2,-9.05 -80.75,-9.05 -80.3,-9.05 -79.85,-9.05 -79.4,-9.05 -78.95,-9.05 -78.5,-9.05 -78.05,-9.05 -77.6,-9.05 -77.15,-9.05 -76.7,-9.05 -76.25,-9.05 -75.8,-9.05 -75.35,-9.05 -74.9,-9.05 -74.45,-9.05 -74,-9.05 -73.55,-9.05 -73.1,-9.05 -72.65,-9.05 -72.2,-9.05 -71.75,-9.05 -71.3,-9.05 -70.85,-9.05 -70.4,-9.05 -69.95,-9.05 -69.5,-9.05 -69.05,-9.05 -68.6,-9.05 -68.15,-9.05 -62.3,-9.05 -61.85,-9.05 -61.4,-9.05 -60.95,-9.05 -60.5,-9.05 -60.05,-9.05 -59.6,-9.05 -59.15,-9.05 -58.7,-9.05 -58.25,-9.05 -57.8,-9.05 -57.35,-9.05 -56.9,-9.05 -56.45,-9.05 -98.075,-8.6 -97.625,-8.6 -97.175,-8.6 -95.375,-8.6 -94.925,-8.6 -94.475,-8.6 -84.125,-8.6 -83.675,-8.6 -83.225,-8.6 -82.775,-8.6 -82.325,-8.6 -81.875,-8.6 -81.425,-8.6 -80.975,-8.6 -80.525,-8.6 -80.075,-8.6 -79.625,-8.6 -79.175,-8.6 -78.725,-8.6 -78.275,-8.6 -77.825,-8.6 -77.375,-8.6 -76.925,-8.6 -76.475,-8.6 -76.025,-8.6 -75.575,-8.6 -75.125,-8.6 -74.675,-8.6 -74.225,-8.6 -73.775,-8.6 -73.325,-8.6 -72.875,-8.6 -72.425,-8.6 -71.975,-8.6 -71.525,-8.6 -71.075,-8.6 -70.625,-8.6 -70.175,-8.6 -69.725,-8.6 -69.275,-8.6 -68.825,-8.6 -68.375,-8.6 -62.525,-8.6 -62.075,-8.6 -61.625,-8.6 -61.175,-8.6 -60.725,-8.6 -60.275,-8.6 -59.825,-8.6 -59.375,-8.6 -58.925,-8.6 -58.475,-8.6 -58.025,-8.6 -57.575,-8.6 -57.125,-8.6 -56.675,-8.6 -56.225,-8.6 -98.3,-8.15 -97.85,-8.15 -97.4,-8.15 -96.05,-8.15 -95.6,-8.15 -95.15,-8.15 -94.7,-8.15 -83.9,-8.15 -83.45,-8.15 -83,-8.15 -82.55,-8.15 -82.1,-8.15 -81.65,-8.15 -81.2,-8.15 -80.75,-8.15 -80.3,-8.15 -79.85,-8.15 -79.4,-8.15 -78.95,-8.15 -78.5,-8.15 -78.05,-8.15 -77.6,-8.15 -77.15,-8.15 -76.7,-8.15 -76.25,-8.15 -75.8,-8.15 -75.35,-8.15 -74.9,-8.15 -74.45,-8.15 -74,-8.15 -73.55,-8.15 -73.1,-8.15 -72.65,-8.15 -72.2,-8.15 -71.75,-8.15 -71.3,-8.15 -70.85,-8.15 -70.4,-8.15 -69.95,-8.15 -69.5,-8.15 -69.05,-8.15 -68.6,-8.15 -68.15,-8.15 -62.3,-8.15 -61.85,-8.15 -61.4,-8.15 -60.95,-8.15 -60.5,-8.15 -60.05,-8.15 -59.6,-8.15 -59.15,-8.15 -58.7,-8.15 -58.25,-8.15 -57.8,-8.15 -57.35,-8.15 -56.9,-8.15 -56.45,-8.15 -98.075,-7.7 -97.625,-7.7 -97.175,-7.7 -95.825,-7.7 -95.375,-7.7 -94.925,-7.7 -94.475,-7.7 -94.025,-7.7 -84.125,-7.7 -83.675,-7.7 -83.225,-7.7 -82.775,-7.7 -82.325,-7.7 -81.875,-7.7 -81.425,-7.7 -80.975,-7.7 -80.525,-7.7 -80.075,-7.7 -79.625,-7.7 -79.175,-7.7 -78.725,-7.7 -78.275,-7.7 -77.825,-7.7 -77.375,-7.7 -76.925,-7.7 -76.475,-7.7 -76.025,-7.7 -75.575,-7.7 -75.125,-7.7 -74.675,-7.7 -74.225,-7.7 -73.775,-7.7 -73.325,-7.7 -72.875,-7.7 -72.425,-7.7 -71.975,-7.7 -71.525,-7.7 -71.075,-7.7 -70.625,-7.7 -70.175,-7.7 -69.725,-7.7 -69.275,-7.7 -68.825,-7.7 -68.375,-7.7 -67.925,-7.7 -62.525,-7.7 -62.075,-7.7 -61.625,-7.7 -61.175,-7.7 -60.725,-7.7 -60.275,-7.7 -59.825,-7.7 -59.375,-7.7 -58.925,-7.7 -58.475,-7.7 -58.025,-7.7 -57.575,-7.7 -57.125,-7.7 -56.675,-7.7 -56.225,-7.7 -98.3,-7.25 -97.85,-7.25 -97.4,-7.25 -96.05,-7.25 -95.6,-7.25 -95.15,-7.25 -94.7,-7.25 -94.25,-7.25 -83.9,-7.25 -83.45,-7.25 -83,-7.25 -82.55,-7.25 -82.1,-7.25 -81.65,-7.25 -81.2,-7.25 -80.75,-7.25 -80.3,-7.25 -79.85,-7.25 -79.4,-7.25 -78.95,-7.25 -78.5,-7.25 -78.05,-7.25 -77.6,-7.25 -77.15,-7.25 -76.7,-7.25 -76.25,-7.25 -75.8,-7.25 -75.35,-7.25 -74.9,-7.25 -74.45,-7.25 -74,-7.25 -73.55,-7.25 -73.1,-7.25 -72.65,-7.25 -72.2,-7.25 -71.75,-7.25 -71.3,-7.25 -70.85,-7.25 -70.4,-7.25 -69.95,-7.25 -69.5,-7.25 -69.05,-7.25 -68.6,-7.25 -68.15,-7.25 -67.7,-7.25 -62.75,-7.25 -62.3,-7.25 -61.85,-7.25 -61.4,-7.25 -60.95,-7.25 -60.5,-7.25 -60.05,-7.25 -59.6,-7.25 -59.15,-7.25 -58.7,-7.25 -58.25,-7.25 -57.8,-7.25 -57.35,-7.25 -56.9,-7.25 -56.45,-7.25 -98.075,-6.8 -97.625,-6.8 -97.175,-6.8 -95.825,-6.8 -95.375,-6.8 -94.925,-6.8 -94.475,-6.8 -94.025,-6.8 -84.125,-6.8 -83.675,-6.8 -83.225,-6.8 -82.775,-6.8 -82.325,-6.8 -81.875,-6.8 -81.425,-6.8 -80.975,-6.8 -80.525,-6.8 -80.075,-6.8 -79.625,-6.8 -79.175,-6.8 -78.725,-6.8 -78.275,-6.8 -77.825,-6.8 -77.375,-6.8 -76.925,-6.8 -76.475,-6.8 -76.025,-6.8 -75.575,-6.8 -75.125,-6.8 -74.675,-6.8 -74.225,-6.8 -73.775,-6.8 -73.325,-6.8 -72.875,-6.8 -72.425,-6.8 -71.975,-6.8 -71.525,-6.8 -71.075,-6.8 -70.625,-6.8 -70.175,-6.8 -69.725,-6.8 -69.275,-6.8 -68.825,-6.8 -68.375,-6.8 -67.925,-6.8 -67.475,-6.8 -63.425,-6.8 -62.975,-6.8 -62.525,-6.8 -62.075,-6.8 -61.625,-6.8 -61.175,-6.8 -60.725,-6.8 -60.275,-6.8 -59.825,-6.8 -59.375,-6.8 -58.925,-6.8 -58.475,-6.8 -58.025,-6.8 -57.575,-6.8 -57.125,-6.8 -56.675,-6.8 -56.225,-6.8 -98.3,-6.35 -97.85,-6.35 -97.4,-6.35 -96.05,-6.35 -95.6,-6.35 -95.15,-6.35 -94.7,-6.35 -94.25,-6.35 -83.9,-6.35 -83.45,-6.35 -83,-6.35 -82.55,-6.35 -82.1,-6.35 -81.65,-6.35 -81.2,-6.35 -80.75,-6.35 -80.3,-6.35 -79.85,-6.35 -79.4,-6.35 -78.95,-6.35 -78.5,-6.35 -78.05,-6.35 -77.6,-6.35 -77.15,-6.35 -76.7,-6.35 -76.25,-6.35 -75.8,-6.35 -75.35,-6.35 -74.9,-6.35 -74.45,-6.35 -74,-6.35 -73.55,-6.35 -73.1,-6.35 -72.65,-6.35 -72.2,-6.35 -71.75,-6.35 -71.3,-6.35 -70.85,-6.35 -70.4,-6.35 -69.95,-6.35 -69.5,-6.35 -69.05,-6.35 -68.6,-6.35 -68.15,-6.35 -67.7,-6.35 -67.25,-6.35 -66.8,-6.35 -64.55,-6.35 -64.1,-6.35 -63.65,-6.35 -63.2,-6.35 -62.75,-6.35 -62.3,-6.35 -61.85,-6.35 -61.4,-6.35 -60.95,-6.35 -60.5,-6.35 -60.05,-6.35 -59.6,-6.35 -59.15,-6.35 -58.7,-6.35 -58.25,-6.35 -57.8,-6.35 -57.35,-6.35 -56.9,-6.35 -56.45,-6.35 -98.075,-5.9 -94.925,-5.9 -94.475,-5.9 -94.025,-5.9 -84.125,-5.9 -83.675,-5.9 -83.225,-5.9 -82.775,-5.9 -82.325,-5.9 -81.875,-5.9 -81.425,-5.9 -80.975,-5.9 -80.525,-5.9 -80.075,-5.9 -79.625,-5.9 -79.175,-5.9 -78.725,-5.9 -78.275,-5.9 -77.825,-5.9 -77.375,-5.9 -76.925,-5.9 -76.475,-5.9 -76.025,-5.9 -75.575,-5.9 -75.125,-5.9 -74.675,-5.9 -74.225,-5.9 -73.775,-5.9 -73.325,-5.9 -72.875,-5.9 -72.425,-5.9 -71.975,-5.9 -71.525,-5.9 -71.075,-5.9 -70.625,-5.9 -70.175,-5.9 -69.725,-5.9 -69.275,-5.9 -68.825,-5.9 -68.375,-5.9 -67.925,-5.9 -67.475,-5.9 -64.325,-5.9 -63.875,-5.9 -63.425,-5.9 -62.975,-5.9 -62.525,-5.9 -62.075,-5.9 -61.625,-5.9 -61.175,-5.9 -60.725,-5.9 -60.275,-5.9 -59.825,-5.9 -59.375,-5.9 -58.925,-5.9 -58.475,-5.9 -58.025,-5.9 -57.575,-5.9 -57.125,-5.9 -56.675,-5.9 -56.225,-5.9 -98.3,-5.45 -94.7,-5.45 -94.25,-5.45 -83.9,-5.45 -83.45,-5.45 -83,-5.45 -82.55,-5.45 -82.1,-5.45 -81.65,-5.45 -81.2,-5.45 -80.75,-5.45 -80.3,-5.45 -79.85,-5.45 -79.4,-5.45 -78.95,-5.45 -78.5,-5.45 -78.05,-5.45 -77.6,-5.45 -77.15,-5.45 -76.7,-5.45 -76.25,-5.45 -75.8,-5.45 -75.35,-5.45 -74.9,-5.45 -74.45,-5.45 -74,-5.45 -73.55,-5.45 -73.1,-5.45 -72.65,-5.45 -72.2,-5.45 -71.75,-5.45 -71.3,-5.45 -70.85,-5.45 -70.4,-5.45 -69.95,-5.45 -69.5,-5.45 -69.05,-5.45 -68.6,-5.45 -68.15,-5.45 -67.7,-5.45 -65.9,-5.45 -64.55,-5.45 -64.1,-5.45 -63.65,-5.45 -63.2,-5.45 -62.75,-5.45 -62.3,-5.45 -61.85,-5.45 -61.4,-5.45 -60.95,-5.45 -60.5,-5.45 -60.05,-5.45 -59.6,-5.45 -59.15,-5.45 -58.7,-5.45 -58.25,-5.45 -57.8,-5.45 -57.35,-5.45 -56.9,-5.45 -56.45,-5.45 -98.075,-5 -94.925,-5 -94.475,-5 -94.025,-5 -84.125,-5 -83.675,-5 -83.225,-5 -82.775,-5 -81.425,-5 -78.725,-5 -78.275,-5 -77.825,-5 -77.375,-5 -76.925,-5 -76.475,-5 -76.025,-5 -75.575,-5 -75.125,-5 -74.675,-5 -74.225,-5 -73.775,-5 -73.325,-5 -72.875,-5 -72.425,-5 -71.975,-5 -71.525,-5 -71.075,-5 -70.625,-5 -70.175,-5 -69.725,-5 -69.275,-5 -68.825,-5 -68.375,-5 -67.025,-5 -64.325,-5 -63.875,-5 -63.425,-5 -62.975,-5 -62.525,-5 -62.075,-5 -61.625,-5 -61.175,-5 -60.725,-5 -60.275,-5 -59.825,-5 -59.375,-5 -58.925,-5 -58.475,-5 -58.025,-5 -57.575,-5 -57.125,-5 -56.675,-5 -56.225,-5 -98.3,-4.55 -94.7,-4.55 -94.25,-4.55 -83.9,-4.55 -83.45,-4.55 -78.05,-4.55 -77.6,-4.55 -77.15,-4.55 -76.7,-4.55 -76.25,-4.55 -75.8,-4.55 -75.35,-4.55 -74.9,-4.55 -74.45,-4.55 -74,-4.55 -73.55,-4.55 -73.1,-4.55 -72.65,-4.55 -72.2,-4.55 -71.75,-4.55 -71.3,-4.55 -70.85,-4.55 -70.4,-4.55 -69.95,-4.55 -69.5,-4.55 -69.05,-4.55 -68.6,-4.55 -67.25,-4.55 -66.8,-4.55 -65.9,-4.55 -64.55,-4.55 -64.1,-4.55 -63.65,-4.55 -63.2,-4.55 -62.75,-4.55 -62.3,-4.55 -61.85,-4.55 -61.4,-4.55 -60.95,-4.55 -60.5,-4.55 -60.05,-4.55 -59.6,-4.55 -59.15,-4.55 -58.7,-4.55 -58.25,-4.55 -57.8,-4.55 -57.35,-4.55 -56.9,-4.55 -56.45,-4.55 -98.075,-4.1 -97.625,-4.1 -97.175,-4.1 -96.725,-4.1 -96.275,-4.1 -94.475,-4.1 -94.025,-4.1 -84.125,-4.1 -67.925,-4.1 -67.475,-4.1 -67.025,-4.1 -64.325,-4.1 -63.875,-4.1 -63.425,-4.1 -62.975,-4.1 -62.525,-4.1 -62.075,-4.1 -61.625,-4.1 -61.175,-4.1 -60.725,-4.1 -60.275,-4.1 -59.825,-4.1 -59.375,-4.1 -58.925,-4.1 -58.475,-4.1 -58.025,-4.1 -57.575,-4.1 -57.125,-4.1 -56.675,-4.1 -56.225,-4.1